# KiCad board ciaa_acc.kicad_pcb (continued)
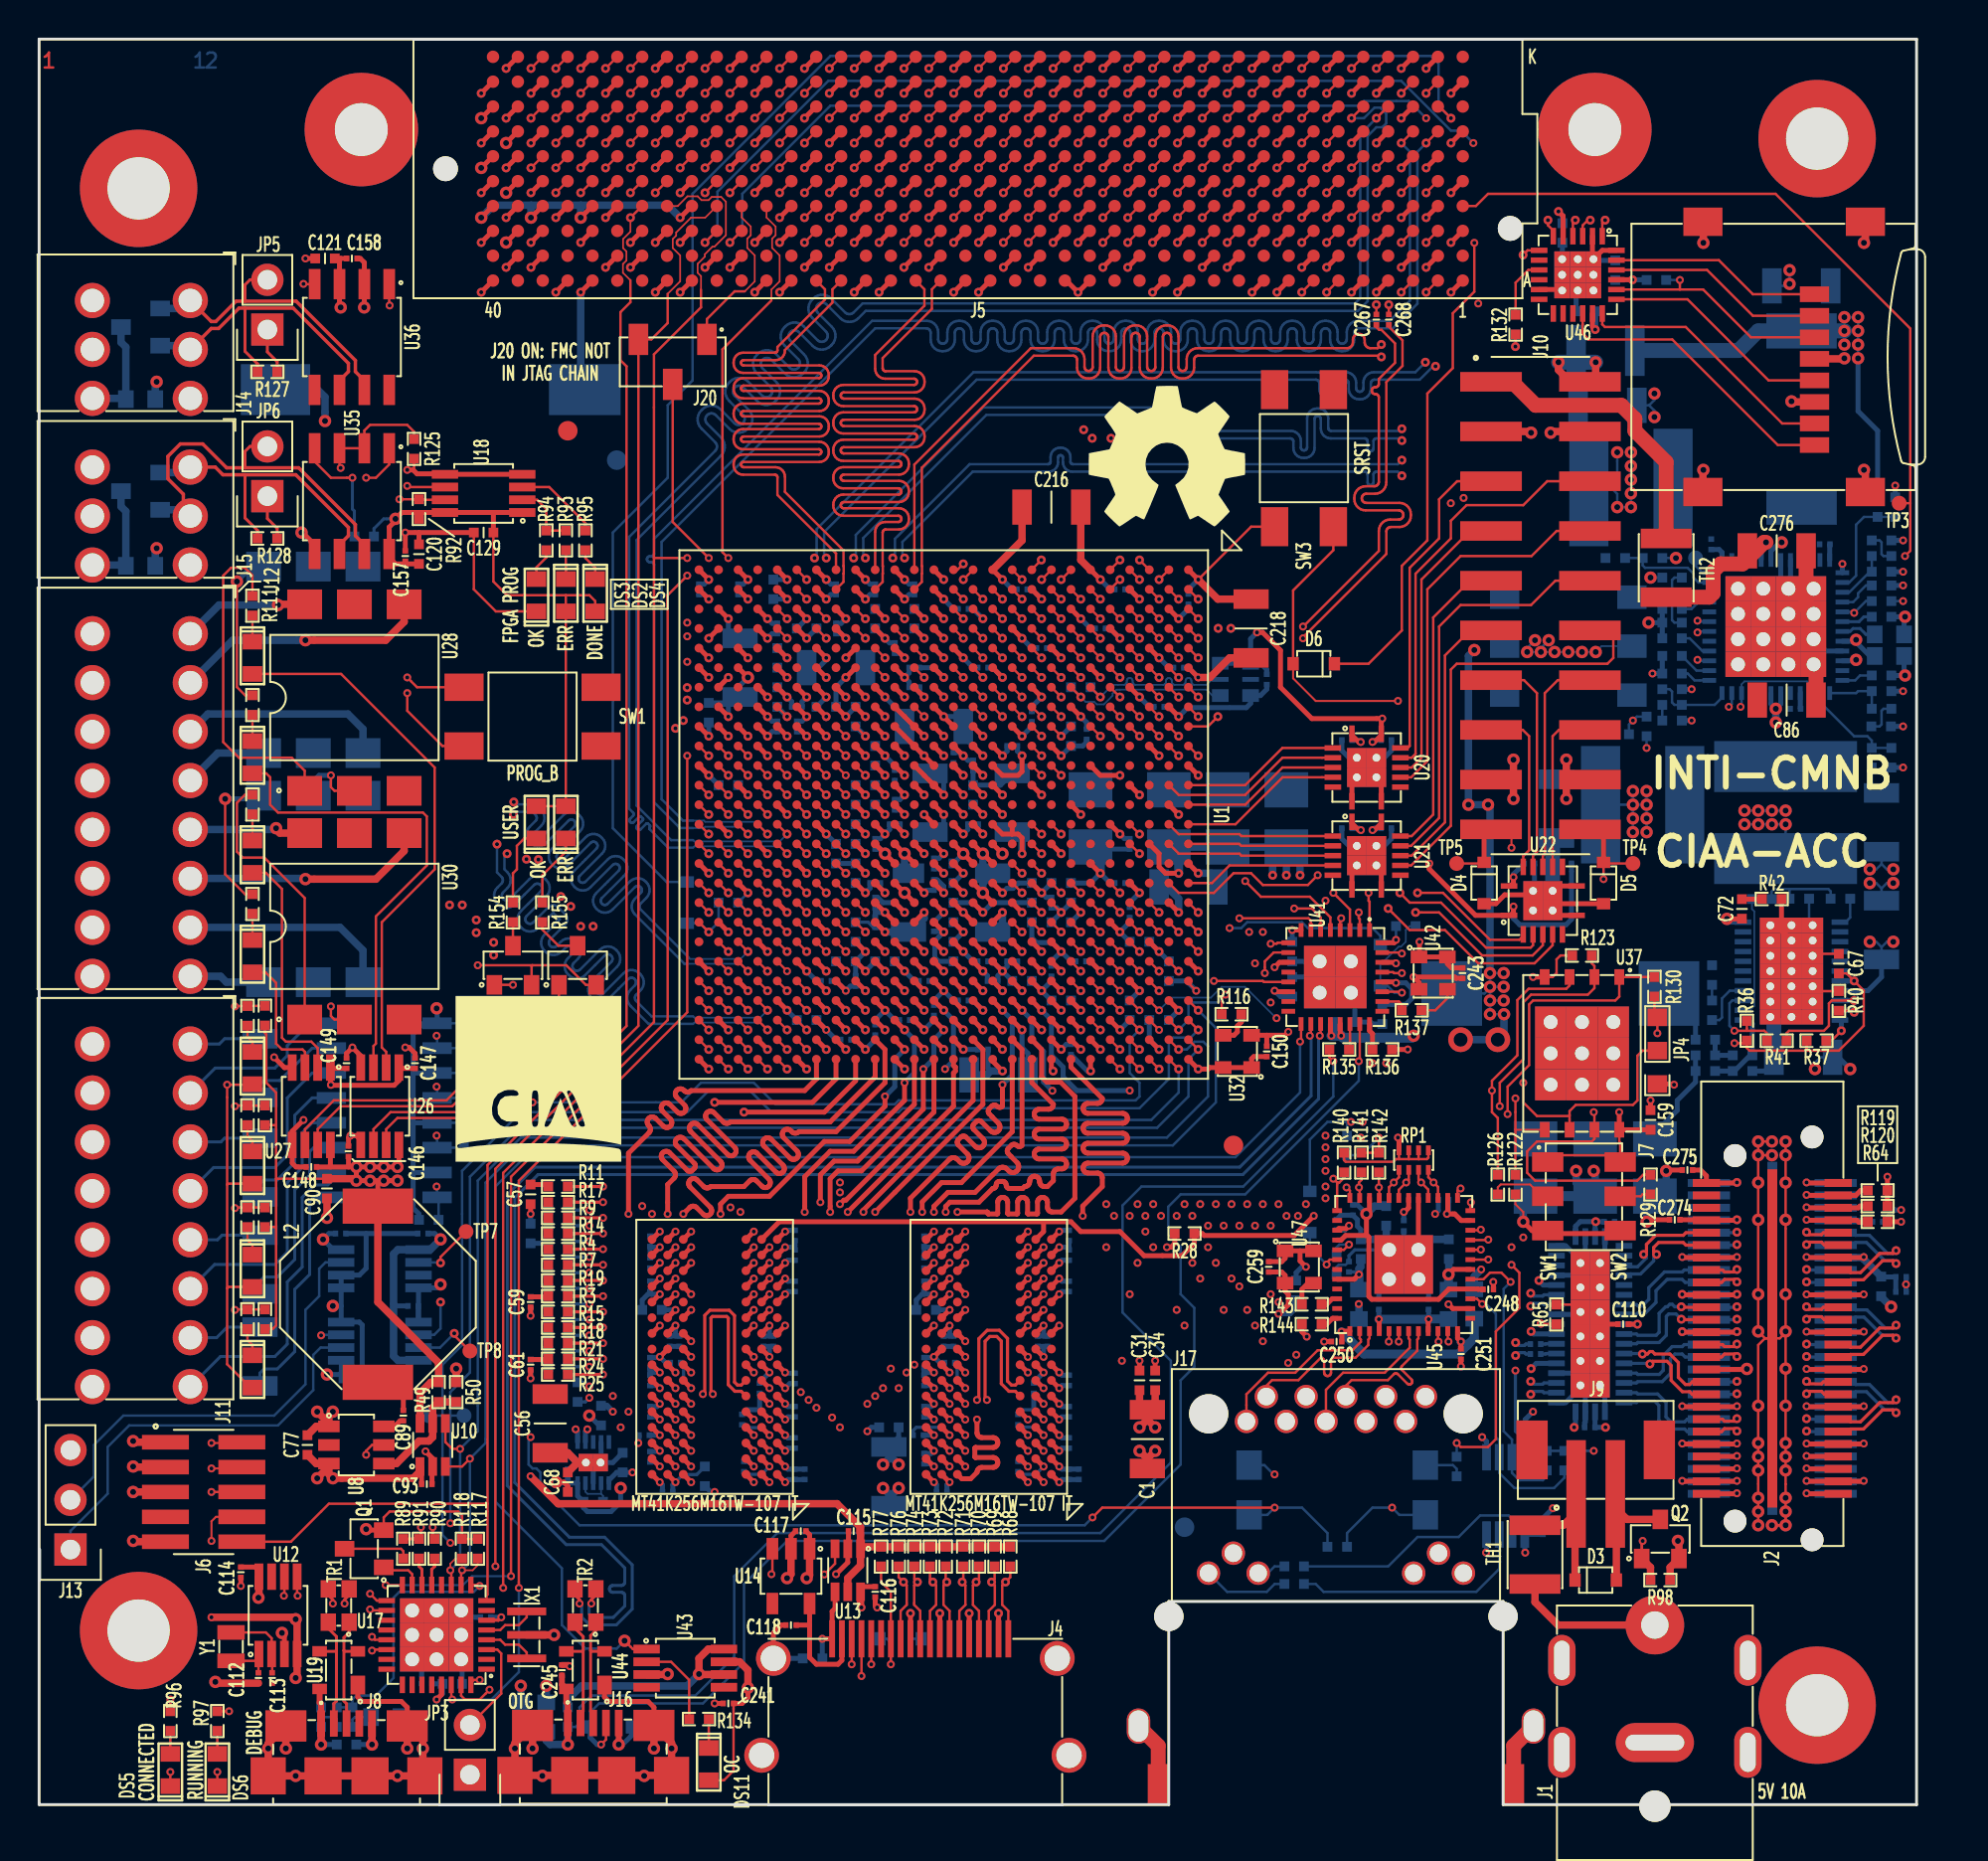
[diagram p0: board, top side]
## Routing (per net, layer and track width the routed paths; a pad name or vN(x,y) marks a point on that pad's centre or on a via; arc(x,y) is an arc through that point) (continued)
/Principal/BANKS_HR/FMC_LA_21_P: length 77.7
  TOP_L1.Sig w0.127: v2(41.63,86.13) 42.22,86.73 J5.H25 ; U1.AE20 v2(35.2,43.57)
  L8.Sig w0.089: v2(35.2,43.57) 34.82,43.19 33.42,43.19 33.4,43.21 33.39,43.22 33.39,43.37 33.39,43.43 33.37,43.49 33.34,43.54 33.29,43.58 33.24,43.61 33.18,43.63 33.13,43.64 32.78,43.64 32.72,43.63 32.67,43.61 32.62,43.58 32.57,43.54 32.54,43.49 32.52,43.43 32.51,43.37 32.51,43.07 32.51,43.07 32.51,42.78 32.5,42.78 32.2,42.78 32.19,42.78 32.19,43.37 32.18,43.43 32.16,43.49 32.13,43.54 32.09,43.58 32.04,43.61 31.98,43.63 31.92,43.64 31.58,43.64 31.52,43.63 31.46,43.61 31.41,43.58 31.37,43.54 31.34,43.49 31.32,43.43 31.31,43.37 31.31,42.78 31.3,42.78 31,42.78 30.99,42.78 30.99,43.37 30.98,43.43 30.96,43.49 30.93,43.54 30.89,43.58 30.84,43.61 30.78,43.63 30.72,43.64 30.38,43.64 30.32,43.63 30.26,43.61 30.21,43.58 30.17,43.54 30.14,43.49 30.12,43.43 30.11,43.37 30.11,42.78 30.1,42.78 29.8,42.78 29.79,42.78 29.79,43.37 29.78,43.43 29.76,43.49 29.73,43.54 29.69,43.58 29.64,43.61 29.58,43.63 29.52,43.64 29.18,43.64 29.12,43.63 29.06,43.61 29.01,43.58 28.97,43.54 28.94,43.49 28.92,43.43 28.91,43.37 28.91,43.22 28.9,43.21 27.09,43.21 21.96,48.35 21.96,69.06 27.72,74.82 39.35,74.82 39.43,74.83 39.51,74.85 39.58,74.9 39.64,74.96 39.68,75.03 39.71,75.1 39.72,75.19 39.72,75.35 39.72,75.37 39.73,75.4 39.74,75.42 39.76,75.43 39.78,75.45 39.8,75.46 39.83,75.46 39.93,75.46 39.95,75.46 39.97,75.45 40,75.43 40.01,75.42 40.03,75.4 40.03,75.37 40.04,75.35 40.04,75.19 40.05,75.1 40.07,75.03 40.12,74.96 40.18,74.9 40.25,74.85 40.32,74.83 40.4,74.82 40.54,74.82 41.13,75.41 41.13,76.41 41.14,76.45 41.15,76.49 41.17,76.52 41.19,76.54 41.23,76.56 41.26,76.57 41.3,76.58 41.34,76.58 41.38,76.58 41.41,76.59 41.44,76.61 41.47,76.64 41.49,76.67 41.5,76.71 41.51,76.74 41.5,76.78 41.49,76.81 41.47,76.84 41.44,76.87 41.41,76.89 41.38,76.9 41.34,76.91 41.3,76.91 41.26,76.91 41.23,76.92 41.19,76.94 41.17,76.97 41.15,77 41.14,77.03 41.13,77.07 41.13,77.51 41.13,77.53 41.14,77.54 41.15,77.55 41.16,77.56 41.17,77.57 41.18,77.57 41.19,77.57 41.35,77.57 41.42,77.58 41.49,77.61 41.55,77.64 41.6,77.69 41.64,77.76 41.66,77.82 41.67,77.89 41.67,78.13 41.66,78.2 41.64,78.27 41.6,78.33 41.55,78.38 41.49,78.42 41.42,78.45 41.35,78.45 41.19,78.45 41.18,78.46 41.17,78.46 41.16,78.47 41.15,78.48 41.14,78.49 41.13,78.5 41.13,78.51 41.13,85.64 v2(41.63,86.13)
/Principal/BANKS_HR/FMC_LA_22_N: length 77.7
  TOP_L1.Sig w0.127: U1.Y20 v2(40.2,43.57) ; v2(41.63,84.86) 42.22,85.46 J5.G25
  L8.Sig w0.089: v2(40.2,43.57) 39.83,43.94 34.81,43.94 34.8,43.93 27.12,43.93 22.44,48.61 22.44,68.67 28.11,74.34 41,74.34 41.03,74.34 41.06,74.35 41.08,74.36 41.1,74.38 41.11,74.41 41.12,74.43 41.13,74.46 41.13,74.64 41.13,74.67 41.14,74.69 41.15,74.72 41.17,74.74 41.2,74.75 41.22,74.76 41.25,74.76 41.28,74.76 41.31,74.75 41.33,74.74 41.35,74.72 41.36,74.69 41.37,74.67 41.38,74.64 41.38,74.46 41.38,74.43 41.39,74.41 41.4,74.38 41.42,74.36 41.45,74.35 41.47,74.34 41.5,74.34 41.7,74.34 42.12,74.76 42.12,75.34 42.12,75.37 42.11,75.4 42.09,75.42 42.07,75.45 42.05,75.46 42.02,75.47 41.99,75.48 41.82,75.48 41.74,75.49 41.66,75.51 41.58,75.56 41.52,75.62 41.47,75.7 41.44,75.78 41.43,75.87 41.43,75.91 41.44,76 41.47,76.08 41.52,76.16 41.58,76.22 41.66,76.27 41.74,76.29 41.82,76.3 43.18,76.3 43.21,76.31 43.24,76.32 43.26,76.33 43.28,76.36 43.3,76.38 43.31,76.41 43.31,76.44 43.31,76.47 43.3,76.5 43.28,76.52 43.26,76.55 43.24,76.56 43.21,76.57 43.18,76.58 42.51,76.58 42.43,76.59 42.34,76.61 42.27,76.66 42.21,76.72 42.16,76.8 42.13,76.88 42.12,76.97 42.12,84.37 v2(41.63,84.86)
/Principal/BANKS_HR/FMC_LA_22_P: length 77.7
  TOP_L1.Sig w0.127: U1.W20 v2(41.2,43.57) ; v2(42.9,84.86) 42.91,84.86 J5.G24
  L8.Sig w0.089: v2(41.2,43.57) 40.58,44.19 27.25,44.19 22.72,48.73 22.72,68.55 28.22,74.06 41.81,74.06 42.4,74.65 42.4,75.36 42.39,75.45 42.36,75.53 42.32,75.61 42.26,75.67 42.18,75.72 42.1,75.74 42.01,75.75 41.85,75.75 41.82,75.76 41.79,75.77 41.76,75.78 41.74,75.81 41.73,75.83 41.72,75.86 41.71,75.89 41.72,75.92 41.73,75.95 41.74,75.97 41.76,76 41.79,76.01 41.82,76.02 41.85,76.03 43.2,76.03 43.29,76.04 43.37,76.06 43.44,76.11 43.51,76.17 43.55,76.25 43.58,76.33 43.59,76.42 43.59,76.46 43.58,76.55 43.55,76.63 43.51,76.71 43.44,76.77 43.37,76.82 43.29,76.84 43.2,76.85 42.54,76.85 42.51,76.86 42.48,76.87 42.45,76.88 42.43,76.91 42.42,76.93 42.41,76.96 42.4,76.99 42.4,84.37 v2(42.9,84.86)
/Principal/BANKS_HR/FMC_LA_23_N: length 77.7
  TOP_L1.Sig w0.127: J5.D24 43.49,81.65 v2(42.9,81.05) ; U1.AB16 v2(38.2,47.57)
  L10.Sig w0.089: v2(38.2,47.57) 37.82,47.19 33.88,47.19 33.87,47.21 31.73,47.21 25.77,53.17 25.77,65.88 30.13,70.25 39.38,70.25 39.86,70.73 41.64,70.73 41.66,70.73 41.69,70.72 41.71,70.7 41.73,70.68 41.75,70.66 41.76,70.63 41.76,70.61 41.76,70.29 41.76,70.26 41.77,70.23 41.79,70.21 41.81,70.19 41.83,70.18 41.86,70.17 41.89,70.16 41.91,70.17 41.94,70.18 41.96,70.19 41.98,70.21 42,70.23 42.01,70.26 42.01,70.29 42.01,70.61 42.01,70.63 42.02,70.66 42.04,70.68 42.06,70.7 42.08,70.72 42.11,70.73 42.14,70.73 42.3,70.73 42.53,70.96 42.53,71.46 42.53,71.5 42.55,71.53 42.56,71.56 42.59,71.59 42.62,71.61 42.65,71.62 42.69,71.62 43.55,71.62 43.65,71.63 43.73,71.66 43.81,71.71 43.88,71.78 43.93,71.86 43.96,71.94 43.97,72.04 43.97,72.09 43.96,72.18 43.93,72.27 43.88,72.35 43.81,72.41 43.73,72.46 43.65,72.49 43.55,72.5 41.25,72.5 41.22,72.51 41.18,72.52 41.15,72.54 41.13,72.56 41.11,72.59 41.09,72.63 41.09,72.66 41.09,72.7 41.11,72.73 41.13,72.76 41.15,72.79 41.18,72.81 41.22,72.82 41.25,72.82 43.55,72.82 43.65,72.83 43.73,72.86 43.81,72.91 43.88,72.98 43.93,73.06 43.96,73.14 43.97,73.24 43.97,73.29 43.96,73.38 43.93,73.47 43.88,73.55 43.81,73.61 43.73,73.66 43.65,73.69 43.55,73.7 41.25,73.7 41.22,73.71 41.18,73.72 41.15,73.74 41.13,73.76 41.11,73.79 41.09,73.83 41.09,73.86 41.09,73.9 41.11,73.93 41.13,73.96 41.15,73.99 41.18,74.01 41.22,74.02 41.25,74.02 43.55,74.02 43.65,74.03 43.73,74.06 43.81,74.11 43.88,74.18 43.93,74.26 43.96,74.34 43.97,74.44 43.97,74.49 43.96,74.58 43.93,74.67 43.88,74.75 43.81,74.81 43.73,74.86 43.65,74.89 43.55,74.9 41.25,74.9 41.22,74.91 41.18,74.92 41.15,74.94 41.13,74.96 41.11,74.99 41.09,75.03 41.09,75.06 41.09,75.1 41.11,75.13 41.13,75.16 41.15,75.19 41.18,75.21 41.22,75.22 41.25,75.22 42.12,75.22 42.21,75.23 42.3,75.26 42.37,75.31 42.44,75.38 42.49,75.46 42.52,75.54 42.53,75.64 42.53,75.66 43.67,76.81 43.67,77.53 43.68,77.57 43.69,77.6 43.71,77.63 43.73,77.65 43.76,77.67 43.79,77.68 43.82,77.68 44.22,77.68 44.26,77.69 44.29,77.7 44.32,77.72 44.34,77.74 44.36,77.77 44.37,77.8 44.37,77.83 44.37,77.87 44.36,77.9 44.34,77.93 44.32,77.95 44.29,77.97 44.26,77.98 44.22,77.98 43.82,77.98 43.79,77.99 43.76,78 43.73,78.02 43.71,78.04 43.69,78.07 43.68,78.1 43.67,78.13 43.67,78.83 43.68,78.87 43.69,78.91 43.71,78.94 43.74,78.97 43.77,78.99 43.81,79 43.85,79 44.15,79 44.19,79.01 44.22,79.02 44.26,79.04 44.28,79.07 44.31,79.1 44.32,79.14 44.32,79.18 44.32,79.22 44.31,79.26 44.28,79.29 44.26,79.32 44.22,79.34 44.19,79.35 44.15,79.36 43.85,79.36 43.81,79.36 43.77,79.37 43.74,79.39 43.71,79.42 43.69,79.45 43.68,79.49 43.67,79.53 43.67,80.28 v2(42.9,81.05)
/Principal/BANKS_HR/FMC_LA_23_P: length 77.7
  TOP_L1.Sig w0.127: v2(44.17,81.05) 44.76,81.65 J5.D23 ; U1.AB17 v2(38.2,46.57)
  L10.Sig w0.089: v2(44.17,81.05) 43.53,81.05 43.03,81.56 42.64,81.56 42.39,81.31 42.39,80.8 42.64,80.55 42.9,80.55 43.39,80.05 43.39,76.92 42.25,75.78 42.25,75.66 42.25,75.63 42.23,75.59 42.22,75.56 42.19,75.54 42.16,75.52 42.13,75.51 42.09,75.5 41.23,75.5 41.13,75.49 41.05,75.46 40.97,75.41 40.9,75.35 40.85,75.27 40.82,75.18 40.81,75.09 40.81,75.04 40.82,74.94 40.85,74.86 40.9,74.78 40.97,74.71 41.05,74.66 41.13,74.63 41.23,74.62 43.53,74.62 43.56,74.62 43.6,74.61 43.63,74.59 43.65,74.56 43.67,74.53 43.69,74.5 43.69,74.46 43.69,74.43 43.67,74.39 43.65,74.36 43.63,74.34 43.6,74.32 43.56,74.31 43.53,74.3 41.23,74.3 41.13,74.29 41.05,74.26 40.97,74.21 40.9,74.15 40.85,74.07 40.82,73.98 40.81,73.89 40.81,73.84 40.82,73.74 40.85,73.66 40.9,73.58 40.97,73.51 41.05,73.46 41.13,73.43 41.23,73.42 43.53,73.42 43.56,73.42 43.6,73.41 43.63,73.39 43.65,73.36 43.67,73.33 43.69,73.3 43.69,73.26 43.69,73.23 43.67,73.19 43.65,73.16 43.63,73.14 43.6,73.12 43.56,73.11 43.53,73.1 41.23,73.1 41.13,73.09 41.05,73.06 40.97,73.01 40.9,72.95 40.85,72.87 40.82,72.78 40.81,72.69 40.81,72.64 40.82,72.54 40.85,72.46 40.9,72.38 40.97,72.31 41.05,72.26 41.13,72.23 41.23,72.22 43.53,72.22 43.56,72.22 43.6,72.21 43.63,72.19 43.65,72.16 43.67,72.13 43.69,72.1 43.69,72.06 43.69,72.03 43.67,71.99 43.65,71.96 43.63,71.94 43.6,71.92 43.56,71.91 43.53,71.9 42.66,71.9 42.57,71.89 42.48,71.86 42.41,71.81 42.34,71.75 42.29,71.67 42.26,71.58 42.25,71.49 42.25,71.08 42.15,70.98 39.76,70.98 39.31,70.53 30.01,70.53 25.49,66 25.49,53.06 31.62,46.93 33.86,46.93 33.88,46.95 37.82,46.95 v2(38.2,46.57)
/Principal/BANKS_HR/FMC_LA_24_N: length 77.7
  TOP_L1.Sig w0.127: v2(36.55,86.13) 37.14,86.73 J5.H29 ; U1.AB19 v2(38.2,44.57)
  L10.Sig w0.089: v2(38.2,44.57) 37.82,44.95 33.82,44.95 33.8,44.93 31.33,44.93 23.96,52.29 23.96,66.76 29.25,72.05 34.61,72.05 35.23,72.67 35.83,72.67 35.88,72.68 35.93,72.69 35.97,72.72 36,72.75 36.03,72.8 36.05,72.84 36.05,72.89 36.05,72.96 36.06,73.01 36.08,73.06 36.1,73.1 36.14,73.13 36.18,73.16 36.23,73.18 36.28,73.18 36.33,73.18 36.38,73.16 36.42,73.13 36.45,73.1 36.48,73.06 36.5,73.01 36.5,72.96 36.5,72.89 36.51,72.84 36.53,72.8 36.55,72.75 36.59,72.72 36.63,72.69 36.68,72.68 36.73,72.67 37.04,72.98 37.04,73.01 37.05,73.1 37.08,73.19 37.13,73.27 37.2,73.33 37.28,73.38 37.37,73.41 37.46,73.42 38.37,73.42 38.4,73.43 38.44,73.44 38.47,73.46 38.49,73.48 38.51,73.51 38.52,73.55 38.53,73.58 38.52,73.62 38.51,73.65 38.49,73.68 38.47,73.71 38.44,73.73 38.4,73.74 38.37,73.74 35.67,73.74 35.58,73.75 35.49,73.79 35.42,73.83 35.35,73.9 35.3,73.98 35.27,74.07 35.26,74.16 35.26,74.21 35.27,74.3 35.3,74.39 35.35,74.47 35.42,74.53 35.49,74.58 35.58,74.61 35.67,74.62 38.37,74.62 38.4,74.63 38.44,74.64 38.47,74.66 38.49,74.68 38.51,74.71 38.52,74.75 38.53,74.78 38.52,74.82 38.51,74.85 38.49,74.88 38.47,74.91 38.44,74.93 38.4,74.94 38.37,74.94 35.67,74.94 35.58,74.95 35.49,74.99 35.42,75.03 35.35,75.1 35.3,75.18 35.27,75.27 35.26,75.36 35.26,75.41 35.27,75.5 35.3,75.59 35.35,75.67 35.42,75.73 35.49,75.78 35.58,75.81 35.67,75.82 38.37,75.82 38.4,75.83 38.44,75.84 38.47,75.86 38.49,75.88 38.51,75.91 38.52,75.95 38.53,75.98 38.52,76.02 38.51,76.05 38.49,76.08 38.47,76.11 38.44,76.13 38.4,76.14 38.37,76.14 37.46,76.14 37.37,76.15 37.28,76.19 37.2,76.23 37.13,76.3 37.08,76.38 37.05,76.47 37.04,76.56 37.04,85.64 v2(36.55,86.13)
/Principal/BANKS_HR/FMC_LA_24_P: length 77.7
  TOP_L1.Sig w0.127: U1.AA19 v2(39.2,44.57) ; v2(37.82,86.13) 38.41,86.73 J5.H28
  L10.Sig w0.089: v2(37.82,86.13) 37.32,85.64 37.32,76.58 37.33,76.55 37.34,76.51 37.36,76.48 37.38,76.46 37.41,76.44 37.45,76.43 37.48,76.42 38.39,76.42 38.48,76.41 38.57,76.38 38.65,76.33 38.72,76.27 38.77,76.19 38.8,76.1 38.81,76.01 38.81,75.96 38.8,75.87 38.77,75.78 38.72,75.7 38.65,75.63 38.57,75.59 38.48,75.55 38.39,75.54 35.7,75.54 35.66,75.54 35.63,75.53 35.6,75.51 35.57,75.48 35.55,75.45 35.54,75.42 35.54,75.38 35.54,75.35 35.55,75.31 35.57,75.28 35.6,75.26 35.63,75.24 35.66,75.23 35.7,75.22 38.39,75.22 38.48,75.21 38.57,75.18 38.65,75.13 38.72,75.07 38.77,74.99 38.8,74.9 38.81,74.81 38.81,74.76 38.8,74.67 38.77,74.58 38.72,74.5 38.65,74.43 38.57,74.39 38.48,74.35 38.39,74.34 35.7,74.34 35.66,74.34 35.63,74.33 35.6,74.31 35.57,74.28 35.55,74.25 35.54,74.22 35.54,74.18 35.54,74.15 35.55,74.11 35.57,74.08 35.6,74.06 35.63,74.04 35.66,74.03 35.7,74.02 38.39,74.02 38.48,74.01 38.57,73.98 38.65,73.93 38.72,73.87 38.77,73.79 38.8,73.7 38.81,73.61 38.81,73.56 38.8,73.47 38.77,73.38 38.72,73.3 38.65,73.23 38.57,73.19 38.48,73.15 38.39,73.14 37.48,73.14 37.45,73.14 37.41,73.13 37.38,73.11 37.36,73.08 37.34,73.05 37.33,73.02 37.32,72.98 37.32,72.87 36.88,72.42 35.33,72.42 34.68,71.77 29.37,71.77 24.24,66.65 24.24,52.41 31.44,45.21 33.8,45.21 33.81,45.2 38.57,45.2 v2(39.2,44.57)
/Principal/BANKS_HR/FMC_LA_25_N: length 77.7
  TOP_L1.Sig w0.127: v2(37.82,84.86) 38.41,85.46 J5.G28 ; U1.AC16 v2(37.2,47.57)
  L5.Sig w0.089: v2(20.96,45.95) 21.15,46.13 21.15,46.67 21.68,47.21 33.74,47.21 33.75,47.19 36.82,47.19 v2(37.2,47.57)
  L8.Sig w0.089: v2(20.96,45.95) 21.15,46.13 21.15,46.35 20.15,47.34 20.15,70.06 21.69,71.6 21.72,71.63 21.73,71.66 21.74,71.7 21.74,71.74 21.73,71.77 21.72,71.8 21.69,71.83 21.57,71.96 21.51,72.03 21.47,72.11 21.45,72.2 21.45,72.3 21.47,72.39 21.51,72.47 21.57,72.54 21.6,72.58 21.68,72.64 21.76,72.68 21.85,72.7 21.94,72.7 22.03,72.68 22.12,72.64 22.19,72.58 22.32,72.45 22.34,72.43 22.38,72.41 22.41,72.41 22.45,72.41 22.48,72.41 22.51,72.43 22.54,72.45 22.56,72.48 22.58,72.51 22.59,72.55 22.59,72.58 22.58,72.62 22.56,72.65 22.54,72.68 22.42,72.81 22.36,72.88 22.32,72.96 22.3,73.05 22.3,73.15 22.32,73.24 22.36,73.32 22.42,73.39 22.45,73.43 22.52,73.49 22.61,73.53 22.7,73.55 22.79,73.55 22.88,73.53 22.97,73.49 23.04,73.43 23.16,73.3 23.19,73.28 23.22,73.26 23.26,73.26 23.3,73.26 23.33,73.26 23.36,73.28 23.39,73.3 23.41,73.33 23.43,73.36 23.44,73.4 23.44,73.43 23.43,73.47 23.41,73.5 23.39,73.53 23.26,73.65 23.21,73.73 23.17,73.81 23.15,73.9 23.15,73.99 23.17,74.08 23.21,74.17 23.26,74.24 23.3,74.28 23.37,74.33 23.46,74.37 23.55,74.4 23.64,74.4 23.73,74.37 23.81,74.33 23.89,74.28 24.01,74.15 24.04,74.13 24.07,74.11 24.11,74.1 24.14,74.1 24.18,74.11 24.21,74.13 24.24,74.15 24.26,74.18 24.28,74.21 24.29,74.25 24.29,74.28 24.28,74.32 24.26,74.35 24.24,74.38 24.11,74.5 24.05,74.58 24.01,74.66 23.99,74.75 23.99,74.84 24.01,74.93 24.05,75.02 24.11,75.09 24.15,75.13 24.22,75.18 24.3,75.22 24.4,75.24 24.49,75.24 24.58,75.22 24.66,75.18 24.73,75.13 24.86,75 24.89,74.98 24.92,74.96 24.96,74.95 24.99,74.95 25.03,74.96 25.06,74.98 25.09,75 25.11,75.03 25.13,75.06 25.13,75.09 25.13,75.13 25.13,75.16 25.11,75.2 25.09,75.23 24.96,75.35 24.9,75.42 24.86,75.51 24.84,75.6 24.84,75.69 24.86,75.78 24.9,75.87 24.96,75.94 25,75.97 25.07,76.03 25.15,76.07 25.24,76.09 25.34,76.09 25.43,76.07 25.51,76.03 25.58,75.97 25.71,75.85 25.74,75.82 25.77,75.81 25.81,75.8 25.84,75.8 25.88,75.81 25.91,75.82 25.94,75.85 26.71,76.62 38.14,76.62 38.31,76.79 38.31,84.37 v2(37.82,84.86)
/Principal/BANKS_HR/FMC_LA_25_P: length 77.7
  TOP_L1.Sig w0.127: J5.G27 39.68,85.46 v2(39.09,84.86) ; U1.AC17 v2(37.2,46.57)
  L5.Sig w0.089: v2(21.61,45.95) 21.42,46.13 21.42,46.56 21.8,46.93 33.74,46.93 33.75,46.95 36.82,46.95 v2(37.2,46.57)
  L8.Sig w0.089: v2(39.09,84.86) 38.59,84.37 38.59,79.57 38.6,79.53 38.61,79.49 38.63,79.46 38.66,79.43 38.69,79.41 38.73,79.4 38.77,79.4 38.8,79.4 38.84,79.39 38.88,79.38 38.91,79.36 38.94,79.33 38.96,79.3 38.97,79.26 38.98,79.22 38.97,79.18 38.96,79.14 38.94,79.11 38.91,79.08 38.88,79.06 38.84,79.05 38.8,79.05 38.77,79.05 38.73,79.04 38.69,79.03 38.66,79.01 38.63,78.98 38.61,78.95 38.6,78.91 38.59,78.87 38.59,76.68 38.26,76.34 26.83,76.34 26.12,75.63 26.04,75.57 25.96,75.53 25.87,75.51 25.78,75.51 25.69,75.53 25.6,75.57 25.53,75.63 25.4,75.76 25.38,75.78 25.34,75.8 25.31,75.8 25.27,75.8 25.24,75.8 25.2,75.78 25.18,75.76 25.15,75.73 25.14,75.7 25.13,75.66 25.13,75.63 25.14,75.59 25.15,75.56 25.18,75.53 25.3,75.4 25.36,75.33 25.4,75.25 25.42,75.16 25.42,75.07 25.4,74.97 25.36,74.89 25.3,74.82 25.27,74.78 25.19,74.73 25.11,74.68 25.02,74.66 24.93,74.66 24.84,74.68 24.75,74.73 24.68,74.78 24.56,74.91 24.53,74.93 24.49,74.95 24.46,74.96 24.42,74.96 24.39,74.95 24.36,74.93 24.33,74.91 24.31,74.88 24.29,74.85 24.28,74.81 24.28,74.78 24.29,74.74 24.31,74.71 24.33,74.68 24.45,74.56 24.51,74.48 24.55,74.4 24.57,74.31 24.57,74.22 24.55,74.13 24.51,74.04 24.45,73.97 24.42,73.93 24.35,73.88 24.26,73.84 24.17,73.82 24.08,73.82 23.99,73.84 23.91,73.88 23.83,73.93 23.71,74.06 23.68,74.08 23.65,74.1 23.61,74.11 23.58,74.11 23.54,74.1 23.51,74.08 23.48,74.06 23.46,74.03 23.44,74 23.43,73.97 23.43,73.93 23.44,73.89 23.46,73.86 23.48,73.83 23.61,73.71 23.66,73.64 23.7,73.55 23.73,73.46 23.73,73.37 23.7,73.28 23.66,73.19 23.61,73.12 23.57,73.09 23.5,73.03 23.41,72.99 23.32,72.97 23.23,72.97 23.14,72.99 23.06,73.03 22.98,73.09 22.86,73.21 22.83,73.23 22.8,73.25 22.76,73.26 22.73,73.26 22.69,73.25 22.66,73.23 22.63,73.21 22.61,73.18 22.59,73.15 22.59,73.12 22.59,73.08 22.59,73.05 22.61,73.01 22.63,72.99 22.76,72.86 22.82,72.79 22.86,72.7 22.88,72.61 22.88,72.52 22.86,72.43 22.82,72.35 22.76,72.27 22.72,72.24 22.65,72.18 22.57,72.14 22.48,72.12 22.38,72.12 22.29,72.14 22.21,72.18 22.14,72.24 22.01,72.36 21.98,72.39 21.95,72.4 21.91,72.41 21.88,72.41 21.84,72.4 21.81,72.39 21.78,72.36 21.76,72.34 21.74,72.3 21.74,72.27 21.74,72.23 21.74,72.2 21.76,72.17 21.78,72.14 21.91,72.01 21.97,71.94 22.01,71.85 22.03,71.76 22.03,71.67 22.01,71.58 21.97,71.5 21.91,71.42 20.43,69.95 20.43,47.46 21.42,46.46 21.42,46.13 v2(21.61,45.95)
/Principal/BANKS_HR/FMC_LA_26_N: length 77.7
  TOP_L1.Sig w0.127: v2(39.09,81.05) 39.68,81.65 J5.D27 ; U1.AC22 v2(37.2,41.57)
  L8.Sig w0.089: v2(39.09,81.05) 39.58,80.56 39.58,76.67 38.78,75.86 27.22,75.86 20.91,69.55 20.91,47.85 24.41,44.35 24.43,44.33 24.44,44.3 24.45,44.27 24.45,44.24 24.44,44.21 24.43,44.18 24.41,44.16 23.89,43.64 23.84,43.57 23.8,43.49 23.78,43.4 23.78,43.32 23.8,43.23 23.84,43.15 23.89,43.08 23.92,43.05 23.99,43 24.07,42.96 24.16,42.94 24.24,42.94 24.33,42.96 24.41,43 24.48,43.05 25,43.57 25.02,43.59 25.05,43.61 25.08,43.61 25.11,43.61 25.14,43.61 25.17,43.59 25.19,43.57 25.21,43.55 25.22,43.52 25.23,43.49 25.23,43.46 25.22,43.43 25.21,43.41 25.19,43.38 24.67,42.86 24.61,42.79 24.58,42.71 24.56,42.63 24.56,42.54 24.58,42.45 24.61,42.38 24.67,42.31 24.7,42.27 24.77,42.22 24.85,42.18 24.93,42.16 25.02,42.16 25.11,42.18 25.19,42.22 25.25,42.27 25.78,42.8 25.8,42.81 25.83,42.83 25.86,42.83 25.89,42.83 25.92,42.83 25.94,42.81 25.97,42.8 26.83,41.93 26.95,41.93 26.98,41.93 27.01,41.92 27.03,41.9 27.05,41.88 27.07,41.85 27.08,41.83 27.08,41.8 27.08,41.06 27.09,40.97 27.12,40.89 27.17,40.81 27.23,40.75 27.31,40.7 27.39,40.68 27.47,40.67 27.52,40.67 27.61,40.68 27.69,40.7 27.77,40.75 27.83,40.81 27.87,40.89 27.9,40.97 27.91,41.06 27.91,42.37 27.92,42.38 27.92,42.39 27.93,42.39 27.94,42.39 28.16,42.39 28.17,42.39 28.18,42.39 28.18,42.38 28.18,42.37 28.18,41.06 28.19,40.97 28.22,40.89 28.27,40.81 28.33,40.75 28.41,40.7 28.49,40.68 28.57,40.67 28.62,40.67 28.71,40.68 28.79,40.7 28.87,40.75 28.93,40.81 28.97,40.89 29,40.97 29.01,41.06 29.01,41.8 29.02,41.83 29.03,41.85 29.04,41.88 29.06,41.9 29.09,41.92 29.12,41.93 29.15,41.93 33.28,41.93 33.3,41.95 36.82,41.95 v2(37.2,41.57)
/Principal/BANKS_HR/FMC_LA_26_P: length 77.7
  TOP_L1.Sig w0.127: J5.D26 40.95,81.65 v2(40.36,81.05) ; U1.AC21 v2(37.2,42.57)
  L8.Sig w0.089: v2(40.36,81.05) 39.86,80.56 39.86,76.55 39.85,76.53 39.84,76.51 39.83,76.48 39.83,76.46 39.84,76.43 39.85,76.41 39.86,76.39 39.94,76.32 39.95,76.3 39.96,76.27 39.97,76.25 39.97,76.22 39.96,76.2 39.95,76.17 39.94,76.15 39.92,76.14 39.89,76.13 39.87,76.12 39.84,76.12 39.82,76.13 39.8,76.14 39.78,76.15 39.7,76.23 39.68,76.24 39.66,76.26 39.63,76.26 39.61,76.26 39.58,76.26 39.56,76.24 39.54,76.23 38.89,75.58 27.33,75.58 21.19,69.44 21.19,47.96 24.63,44.53 24.68,44.46 24.72,44.38 24.74,44.3 24.74,44.21 24.72,44.13 24.68,44.05 24.63,43.98 24.1,43.46 24.09,43.43 24.07,43.41 24.07,43.38 24.07,43.35 24.07,43.32 24.09,43.29 24.1,43.27 24.13,43.25 24.16,43.23 24.19,43.23 24.22,43.23 24.25,43.23 24.27,43.25 24.3,43.27 24.82,43.79 24.89,43.84 24.97,43.88 25.05,43.9 25.14,43.9 25.22,43.88 25.3,43.84 25.37,43.79 25.4,43.75 25.46,43.69 25.5,43.61 25.52,43.52 25.52,43.43 25.5,43.35 25.46,43.27 25.4,43.2 24.88,42.68 24.86,42.66 24.85,42.63 24.84,42.6 24.84,42.57 24.85,42.54 24.86,42.51 24.88,42.49 24.91,42.47 24.93,42.46 24.96,42.45 24.99,42.45 25.02,42.46 25.05,42.47 25.07,42.49 25.6,43.01 25.66,43.06 25.74,43.1 25.83,43.12 25.92,43.12 26,43.1 26.08,43.06 26.15,43.01 26.95,42.21 26.97,42.21 27.06,42.2 27.14,42.17 27.22,42.12 27.28,42.06 27.32,41.99 27.35,41.91 27.36,41.82 27.36,41.08 27.37,41.05 27.38,41.02 27.39,41 27.41,40.97 27.44,40.96 27.47,40.95 27.5,40.95 27.53,40.95 27.56,40.96 27.58,40.97 27.6,41 27.62,41.02 27.63,41.05 27.63,41.08 27.63,42.39 27.64,42.45 27.66,42.51 27.7,42.57 27.74,42.61 27.8,42.65 27.86,42.67 27.92,42.67 28.18,42.67 28.24,42.67 28.3,42.65 28.36,42.61 28.4,42.57 28.44,42.51 28.46,42.45 28.46,42.39 28.46,41.08 28.47,41.05 28.48,41.02 28.49,41 28.51,40.97 28.54,40.96 28.57,40.95 28.6,40.95 28.63,40.95 28.66,40.96 28.68,40.97 28.7,41 28.72,41.02 28.73,41.05 28.73,41.08 28.73,41.82 28.74,41.91 28.77,41.99 28.82,42.06 28.88,42.12 28.96,42.17 29.04,42.2 29.12,42.21 33.28,42.21 33.3,42.19 36.82,42.19 v2(37.2,42.57)
/Principal/BANKS_HR/FMC_LA_27_N: length 77.7
  TOP_L1.Sig w0.127: J5.C27 39.68,80.38 v2(39.09,79.78) ; U1.AF18 v2(34.2,45.57)
  L10.Sig w0.089: v2(39.09,79.78) 39.6,79.78 40.1,79.28 40.61,79.28 40.87,79.53 40.87,79.91 40.48,80.29 40.23,80.29 39.85,80.68 39.85,84.03 39.52,84.35 38.66,84.35 38.33,84.03 38.33,77.95 38.53,77.75 39.29,77.75 39.58,77.46 39.58,77.05 39.08,76.54 39.08,76.33 39.09,76.24 39.12,76.15 39.17,76.07 39.23,76.01 39.31,75.96 39.4,75.93 39.49,75.92 40.2,75.92 40.24,75.91 40.27,75.9 40.3,75.88 40.33,75.85 40.35,75.82 40.36,75.79 40.36,75.75 40.36,75.72 40.35,75.69 40.33,75.66 40.3,75.63 40.27,75.61 40.24,75.6 40.2,75.59 39.49,75.59 39.4,75.58 39.31,75.55 39.23,75.5 39.17,75.44 39.12,75.36 39.09,75.27 39.08,75.18 39.08,75.13 39.09,75.04 39.12,74.95 39.17,74.87 39.23,74.81 39.31,74.76 39.4,74.73 39.49,74.72 40.2,74.72 40.24,74.71 40.27,74.7 40.3,74.68 40.33,74.65 40.35,74.62 40.36,74.59 40.36,74.56 40.36,74.52 40.35,74.49 40.33,74.46 40.3,74.43 40.27,74.41 40.24,74.4 40.2,74.39 39.49,74.39 39.4,74.38 39.31,74.35 39.23,74.3 39.17,74.24 39.12,74.16 39.09,74.07 39.08,73.98 39.08,73.93 39.09,73.84 39.12,73.75 39.17,73.67 39.23,73.61 39.31,73.56 39.4,73.53 39.49,73.52 40.2,73.52 40.24,73.51 40.27,73.5 40.3,73.48 40.33,73.45 40.35,73.42 40.36,73.39 40.36,73.36 40.36,73.32 40.35,73.29 40.33,73.26 40.3,73.23 40.27,73.21 40.24,73.2 40.2,73.19 39.49,73.19 39.4,73.18 39.31,73.15 39.23,73.1 39.17,73.04 39.12,72.96 39.09,72.87 39.08,72.78 39.08,71.44 38.92,71.29 38.71,71.29 38.67,71.29 38.64,71.3 38.61,71.32 38.58,71.35 38.56,71.38 38.55,71.41 38.55,71.45 38.55,72.16 38.54,72.26 38.5,72.34 38.46,72.42 38.39,72.49 38.31,72.54 38.22,72.57 38.13,72.58 38.08,72.58 37.99,72.57 37.9,72.54 37.82,72.49 37.76,72.42 37.71,72.34 37.68,72.26 37.67,72.16 37.67,71.45 37.66,71.41 37.65,71.38 37.63,71.35 37.61,71.32 37.58,71.3 37.54,71.29 37.51,71.29 37.44,71.29 37.4,71.29 37.37,71.3 37.34,71.32 37.31,71.35 37.29,71.38 37.28,71.41 37.28,71.45 37.28,71.75 37.27,71.84 37.24,71.93 37.19,72.01 37.12,72.07 37.04,72.12 36.95,72.15 36.86,72.16 36.81,72.16 36.72,72.15 36.63,72.12 36.55,72.07 36.49,72.01 36.44,71.93 36.41,71.84 36.4,71.75 36.4,71.45 36.39,71.41 36.38,71.38 36.36,71.35 36.34,71.32 36.31,71.3 36.27,71.29 36.24,71.29 36.2,71.29 36.17,71.3 36.14,71.32 36.11,71.35 36.09,71.38 36.08,71.41 36.08,71.45 36.08,71.75 36.07,71.84 36.04,71.93 35.99,72.01 35.92,72.07 35.84,72.12 35.75,72.15 35.66,72.16 35.61,72.16 35.52,72.15 35.43,72.12 35.35,72.07 35.29,72.01 35.24,71.93 35.21,71.84 35.2,71.75 35.2,71.45 35.19,71.41 35.18,71.38 35.16,71.35 35.14,71.32 35.11,71.3 35.07,71.29 35.04,71.29 29.63,71.29 24.72,66.38 24.72,52.68 31.47,45.93 33.64,45.93 34,45.57 v2(34.2,45.57)
/Principal/BANKS_HR/FMC_LA_27_P: length 78.4
  TOP_L1.Sig w0.127: U1.AE18 v2(35.2,45.57) ; v2(40.36,79.78) 40.95,80.38 J5.C26
  L10.Sig w0.089: v2(35.2,45.57) U1.AE18 33.9,46.07 33.76,46.21 31.58,46.21 25,52.79 25,66.26 29.75,71.01 35.06,71.01 35.15,71.02 35.24,71.05 35.32,71.1 35.39,71.16 35.44,71.24 35.47,71.33 35.48,71.42 35.48,71.72 35.48,71.76 35.49,71.79 35.51,71.82 35.54,71.85 35.57,71.87 35.6,71.88 35.64,71.88 35.67,71.88 35.71,71.87 35.74,71.85 35.76,71.82 35.78,71.79 35.79,71.76 35.8,71.72 35.8,71.42 35.81,71.33 35.84,71.24 35.89,71.16 35.95,71.1 36.03,71.05 36.12,71.02 36.21,71.01 36.26,71.01 36.35,71.02 36.44,71.05 36.52,71.1 36.59,71.16 36.64,71.24 36.67,71.33 36.68,71.42 36.68,71.72 36.68,71.76 36.69,71.79 36.71,71.82 36.74,71.85 36.77,71.87 36.8,71.88 36.84,71.88 36.87,71.88 36.91,71.87 36.94,71.85 36.96,71.82 36.98,71.79 36.99,71.76 37,71.72 37,71.42 37.01,71.33 37.04,71.24 37.09,71.16 37.15,71.1 37.23,71.05 37.32,71.02 37.41,71.01 37.53,71.01 37.62,71.02 37.71,71.05 37.79,71.1 37.86,71.16 37.9,71.24 37.94,71.33 37.95,71.42 37.95,72.14 37.95,72.17 37.96,72.21 37.98,72.24 38.01,72.26 38.04,72.28 38.07,72.29 38.11,72.3 38.14,72.29 38.18,72.28 38.21,72.26 38.23,72.24 38.25,72.21 38.26,72.17 38.27,72.14 38.27,71.42 38.28,71.33 38.31,71.24 38.36,71.16 38.42,71.1 38.5,71.05 38.59,71.02 38.68,71.01 39,71.01 39.36,71.37 39.36,71.67 39.36,71.7 39.37,71.73 39.39,71.75 39.41,71.77 39.43,71.78 39.46,71.79 39.48,71.8 40.17,71.8 40.2,71.8 40.22,71.81 40.25,71.82 40.27,71.84 40.28,71.87 40.29,71.89 40.29,71.92 40.29,71.95 40.28,71.98 40.27,72 40.25,72.02 40.22,72.03 40.2,72.04 40.17,72.05 39.48,72.05 39.46,72.05 39.43,72.06 39.41,72.07 39.39,72.09 39.37,72.12 39.36,72.14 39.36,72.17 39.36,72.2 39.37,72.23 39.39,72.25 39.41,72.27 39.43,72.28 39.46,72.29 39.48,72.3 40.17,72.3 40.2,72.3 40.22,72.31 40.25,72.32 40.27,72.34 40.28,72.37 40.29,72.39 40.29,72.42 40.29,72.45 40.28,72.48 40.27,72.5 40.25,72.52 40.22,72.53 40.2,72.54 40.17,72.55 39.48,72.55 39.46,72.55 39.43,72.56 39.41,72.57 39.39,72.59 39.37,72.62 39.36,72.64 39.36,72.67 39.36,72.79 39.37,72.82 39.39,72.85 39.42,72.88 39.45,72.9 39.48,72.91 39.52,72.92 40.23,72.92 40.32,72.93 40.41,72.96 40.49,73.01 40.55,73.07 40.6,73.15 40.63,73.24 40.64,73.33 40.64,73.38 40.63,73.47 40.6,73.56 40.55,73.64 40.49,73.7 40.41,73.75 40.32,73.78 40.23,73.79 39.52,73.79 39.48,73.8 39.45,73.81 39.42,73.83 39.39,73.86 39.37,73.89 39.36,73.92 39.35,73.95 39.36,73.99 39.37,74.02 39.39,74.05 39.42,74.08 39.45,74.1 39.48,74.11 39.52,74.12 40.23,74.12 40.32,74.13 40.41,74.16 40.49,74.21 40.55,74.27 40.6,74.35 40.63,74.44 40.64,74.53 40.64,74.58 40.63,74.67 40.6,74.76 40.55,74.84 40.49,74.9 40.41,74.95 40.32,74.98 40.23,74.99 39.52,74.99 39.48,75 39.45,75.01 39.42,75.03 39.39,75.06 39.37,75.09 39.36,75.12 39.35,75.16 39.36,75.19 39.37,75.22 39.39,75.25 39.42,75.28 39.45,75.3 39.48,75.31 39.52,75.32 40.23,75.32 40.32,75.33 40.41,75.36 40.49,75.41 40.55,75.47 40.6,75.55 40.63,75.64 40.64,75.73 40.64,75.78 40.63,75.87 40.6,75.96 40.55,76.04 40.49,76.1 40.41,76.15 40.32,76.18 40.23,76.19 39.52,76.19 39.48,76.2 39.45,76.21 39.42,76.23 39.39,76.26 39.37,76.29 39.36,76.32 39.35,76.36 39.35,76.42 39.86,76.93 39.86,77.53 39.39,78 38.63,78 38.58,78.06 38.58,83.92 38.76,84.1 39.42,84.1 39.6,83.92 39.6,80.22 40.03,79.78 v2(40.36,79.78)
/Principal/BANKS_HR/FMC_LA_28_N: length 77.7